# Allegro board LAY-95869_A.brd (continued)
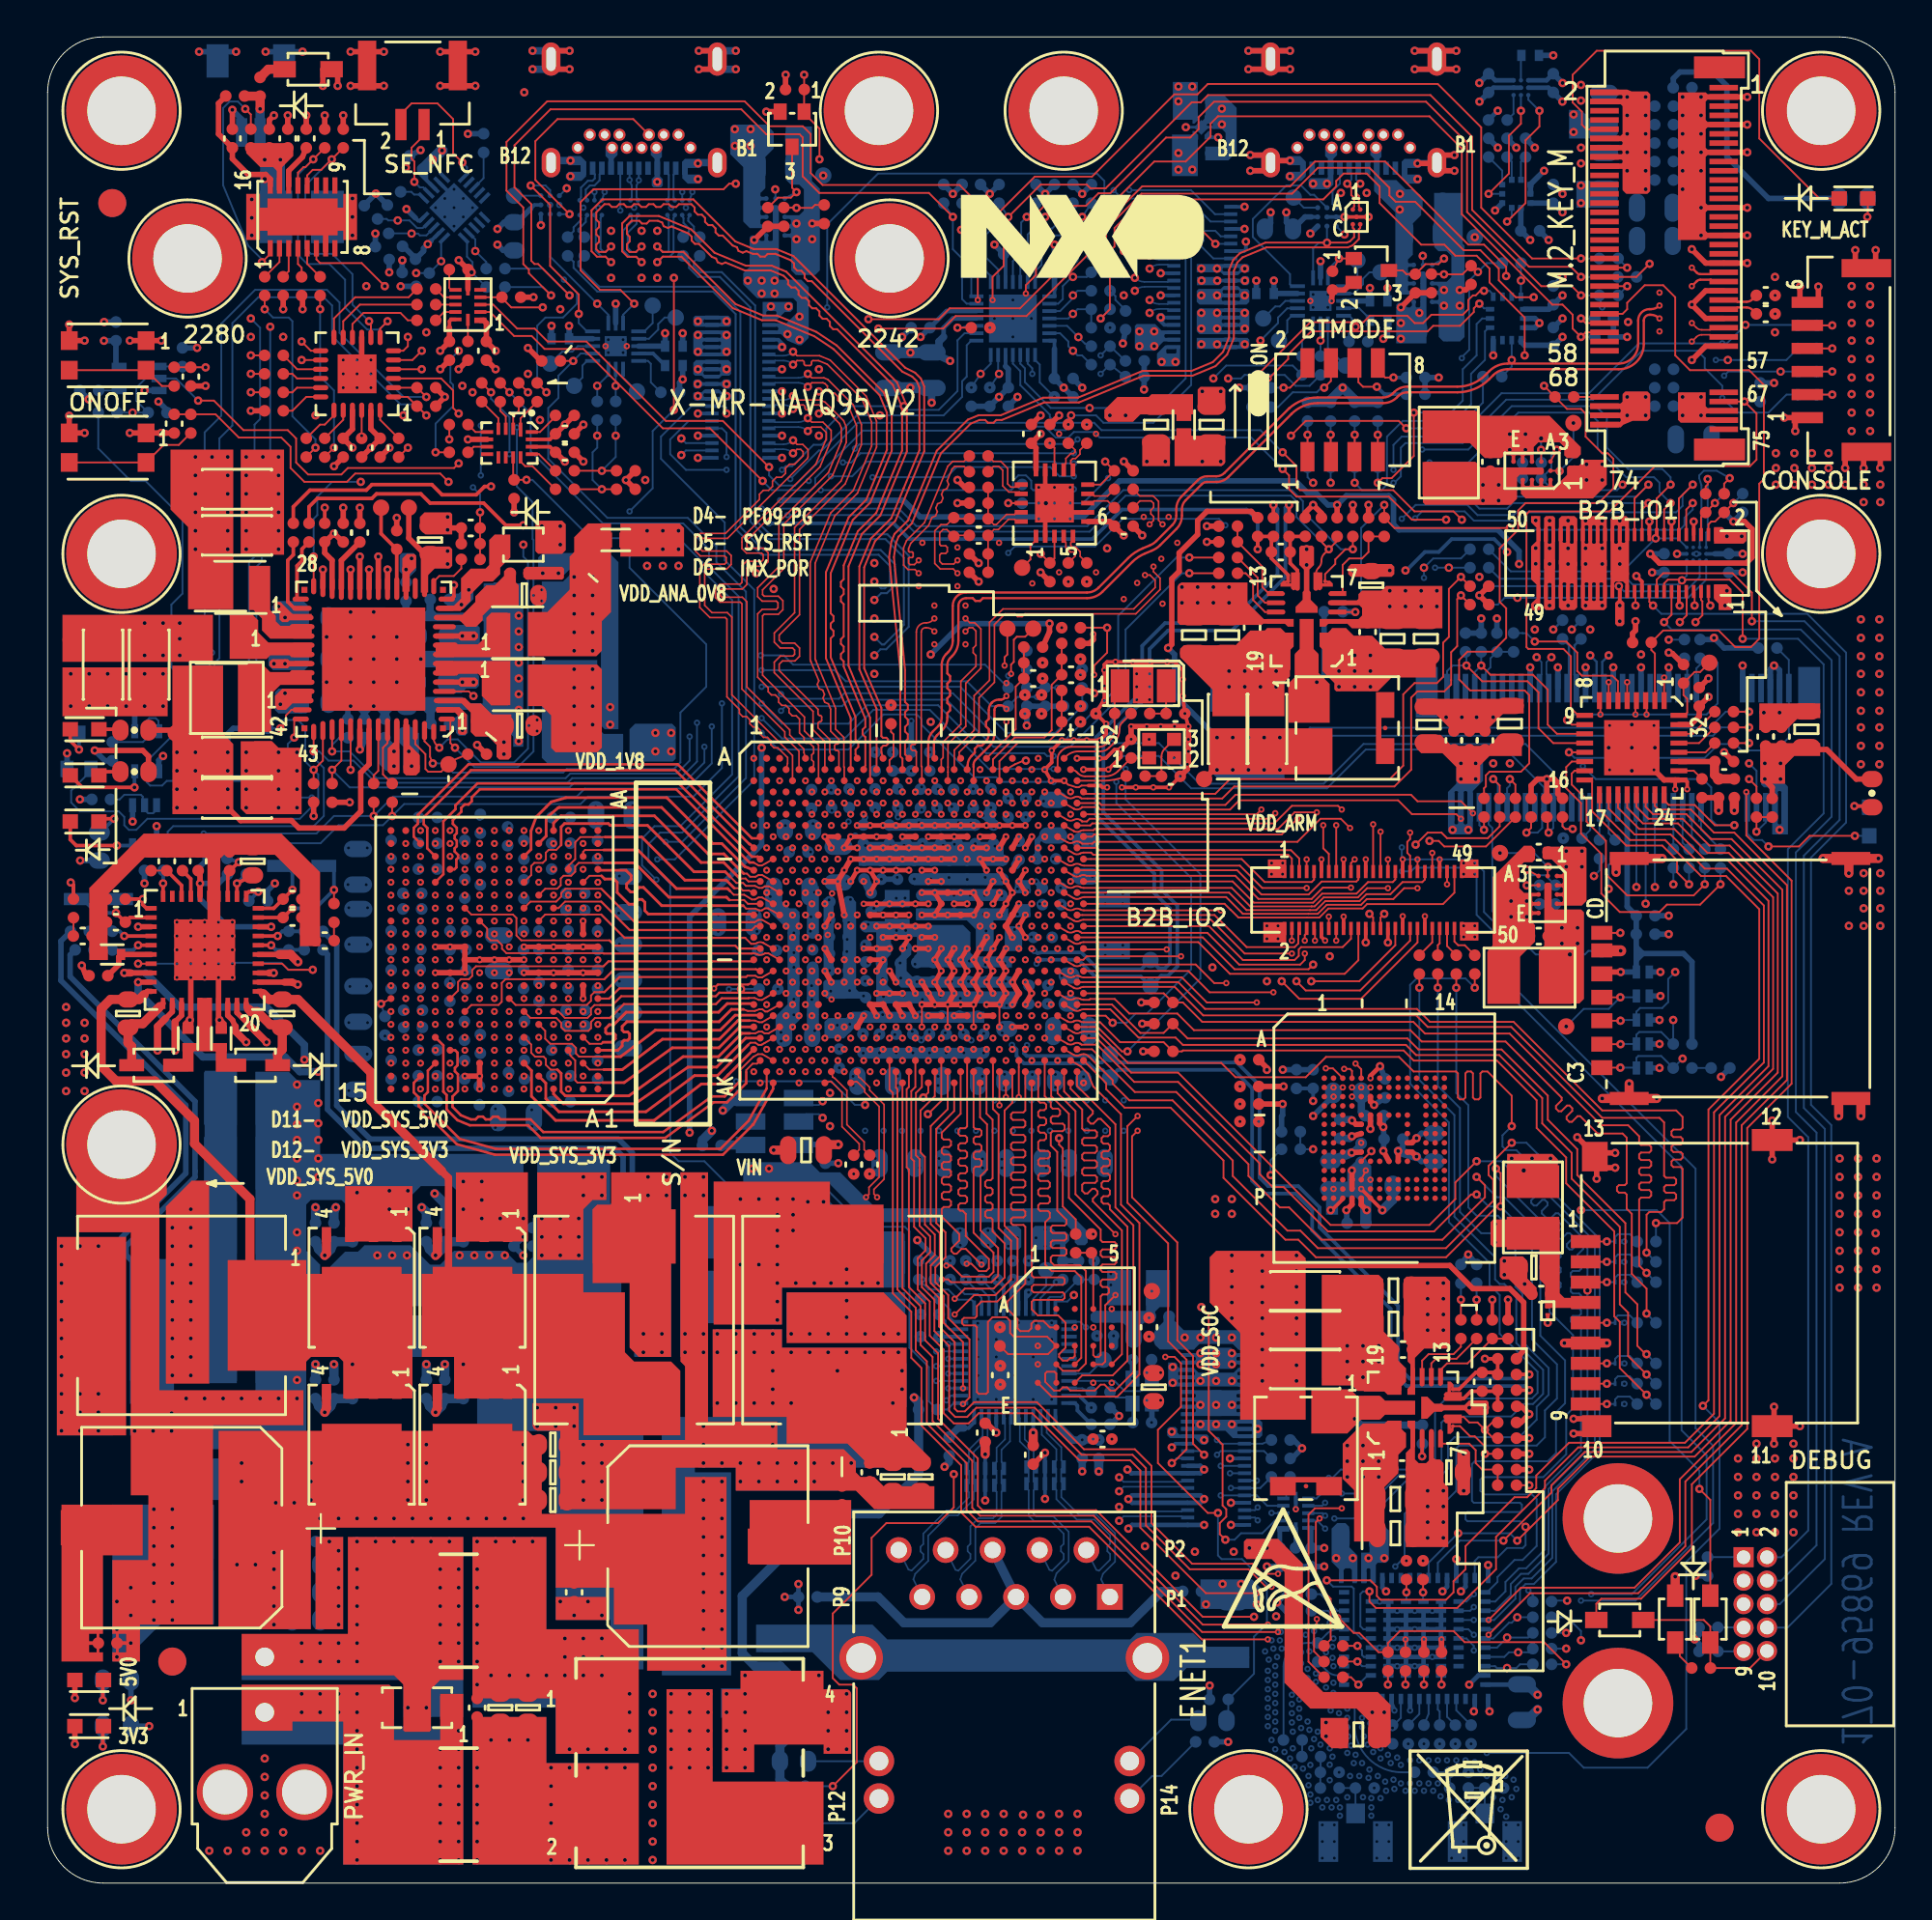
[diagram p0: board, top side]
## Routing (per net, layer and track width the routed paths; a pad name or vN(x,y) marks a point on that pad's centre or on a via; arc(x,y) is an arc through that point) (continued)
  L7_GND3 w0.3: v6(51.72,57.19) v9(51.99,57.74)
  BOTTOM w0.3: R250.1 R249.1 R251.1 v1(53,62.7)
  vias: v1(21.65,72.15) v1(21.65,71.45)
VDD_SD2_3V3:
  vias: v1(19.55,61.3) v1(19.7,60.5) v1(63.2,36.25) v1(64.1,36.25) v1(78.35,35.7) v1(78.35,34.7)
VDD_SDIO2: length 4.6
  TOP w0.3: R288.1 v1(59.2,47.7) ; R293.1 v1(59.3,45.05) ; U12.AD38 v8(50.47,46.98) ; R290.1 v1(59.25,46.55) ; R108.1 v1(16.35,58.54)
  L4_GND2 w0.3: v8(50.47,46.98) v6(50.65,46.5)
  L7_GND3 w0.3: v9(50.67,46.02) v6(50.65,46.5)
  vias: v1(24.7,61.8) v1(24.7,61.15)
VDD_SOC: length 101.2
  TOP w0.254: v4(46.62,48.8) v8(46.97,48.19) ; v4(44.52,56.07) U12.J21 v4(45.92,56.07) U12.J25 v4(47.32,56.07) U12.J29 v4(48.72,56.07) ; v4(51.52,54.86) v8(51.87,54.26) v4(52.22,53.65) v8(51.87,53.04) v4(51.52,52.44) ; v8(45.22,51.23) U12.U23 v4(46.62,51.23) v8(46.27,50.62) ; v4(44.52,54.86) v8(43.82,54.86) v8(43.47,54.26) ; v4(44.52,54.86) v8(44.87,54.26) v8(44.52,53.65) ; v4(44.52,54.86) v8(45.22,54.86) v4(45.92,54.86) v8(46.62,54.86) ; U12.W19 v8(45.22,50.01) v4(44.87,49.41) ; v4(51.52,51.23) v8(51.17,50.62) v4(50.82,50.01) v8(51.17,49.41) v8(50.82,48.8) v8(51.17,48.19) ; v8(49.77,50.62) v4(49.42,50.01) v8(49.77,49.41) v4(49.42,48.8) v8(49.77,48.19) ; v8(48.37,48.19) v4(48.02,48.8) v8(48.37,49.41) v4(48.02,50.01) v8(48.37,50.62)
  TOP w0.3: v1(67.6,33.15) 67.9,33.45 75.9,33.45 77.15,32.2 79.15,32.2 79.9,31.45 79.9,28.85 R147.2 ; v8(46.62,52.44) v4(45.92,52.44) v8(45.22,52.44) U12.R19
  L4_GND2 w0.3: v8(45.22,48.8) v6(45.48,48.46) ; v8(46.27,50.62) v6(46.35,51.15) v8(45.92,51.22) ; v8(43.47,54.26) v6(43.35,53.85) ; v8(45.22,54.86) v6(44.85,54.67) v8(44.87,54.26) ; v8(45.22,50.01) v6(44.82,49.91) ; v8(48.37,50.62) v6(48.12,50.29) ; v8(49.77,48.19) v6(49.33,48.3) ; v6(46.54,48.63) v8(46.97,48.19) v6(47.38,48.26) v6(47.96,48.2) v8(48.37,48.19) ; v8(51.17,49.41) v6(51.58,49.48) ; v8(51.17,48.19) v6(51.48,47.88) ; v8(48.02,56.08) v6(48.18,56.62) ; v8(49.77,49.41) v6(50.37,49.57) ; v8(49.42,56.07) v6(49.58,56.72) ; v8(46.62,56.08) v6(46.82,56.68) ; v8(46.62,52.44) v6(46.1,52.45) ; v8(44.52,53.65) v6(44.75,53.31) ; v8(48.37,49.41) v6(48.56,49.77) ; v8(45.22,56.08) v6(45.38,56.67) ; v8(49.77,50.62) v6(49.6,50.24) ; v8(50.82,48.8) v6(50.51,48.45) ; v8(45.22,51.23) v6(44.97,50.81) ; v8(45.22,52.44) v6(44.78,52.28) ; v8(46.62,54.86) v6(46.21,54.83) ; v8(43.82,54.86) v6(44.23,54.79)
  L7_GND3 w0.3: v9(57.25,42.4) v6(57.25,42) ; v9(45.24,48.02) v6(45.48,48.46) v9(45.2,48.98) ; v9(46,43.2) v6(45.7,42.9) ; v6(46.82,56.68) v9(46.56,57.2) 46.83,57.3 ; v6(46.82,56.68) v9(47.16,57.44) 46.83,57.3 ; v6(46.82,56.68) 46.83,57.3 ; v9(56.25,40.75) v6(56.25,41.15) ; v9(45.13,54.38) v6(44.85,54.67) ; v6(52.81,54.15) v9(52.5,53.85) v6(52.28,53.49) ; v6(52.81,54.15) v9(53.5,54.25) ; v6(52.81,54.15) v9(53.06,53.76) ; v9(47.97,49.89) v6(48.12,50.29) ; v9(48.34,48.04) v6(47.96,48.2) ; v9(46.34,48.07) v6(46.54,48.63) 46.66,49.29 v9(46.95,49.77) ; v9(49.9,49.94) v6(49.6,50.24) ; v9(55.25,42.4) v6(55.25,42) ; v9(48.2,43.7) v6(48.42,43.92) ; v6(49.58,56.72) 49.31,56.99 v9(49.31,57.44) 49.58,57.43 ; v6(49.58,56.72) 49.81,56.95 49.81,57.25 v9(49.98,57.41) 49.58,57.43 ; v6(49.58,56.72) 49.58,57.43 ; v9(44.41,49.84) v6(44.82,49.91) v9(45.22,49.91) ; v9(45.25,40.75) v6(45.25,41.15) ; v9(57.25,40.75) v6(57.25,41.15) ; v9(52.25,42.4) v6(52.25,42) ; v9(43.29,54.26) v6(43.35,53.85) v9(42.93,53.93) ; v9(50.25,40.75) v6(50.25,41.15) ; v9(58.25,42.4) v6(58.25,42) ; v9(44.25,40.75) v6(44.25,41.15) ; v9(54.25,40.75) v6(54.25,41.15) ; v9(55.05,38.75) v6(55.4,38.55) ; v9(53.25,40.75) v6(53.25,41.15) ; v9(51.81,49.81) v6(51.58,49.48) ; v6(46.21,54.83) v9(45.99,54.48) v6(46.2,54.02) ; v9(44.24,54.38) v6(44.23,54.79) ; v9(46.25,40.75) v6(46.25,41.15) ; v9(51.65,39.21) v6(52,39.5) ; v9(48.25,38.75) v6(48.55,38.45) ; v9(50.76,49.74) v6(50.37,49.57) ; v9(56.25,42.4) v6(56.25,42) ; v9(51.25,42.4) v6(51.25,42) ; v9(52.4,55.15) v6(51.9,54.86) ; v9(52.25,40.75) v6(52.25,41.15) ; v9(47.35,47.86) v6(47.38,48.26) ; v9(44.41,51.93) v6(44.78,52.28) ; v9(48.25,39.25) v6(48.55,39.55) ; v9(47.25,40.75) v6(47.25,41.15) ; v9(49.25,40.75) v6(49.25,41.15) ; v9(48.33,57.31) v6(48.18,56.62) ; v9(51.65,38.74) v6(52,38.5) ; v9(48.95,49.91) v6(48.56,49.77) ; v9(53.25,42.4) v6(53.25,42) ; v9(50.36,47.87) v6(50.51,48.45) ; v9(46,43.7) v6(45.7,44) ; v9(58.25,40.75) v6(58.25,41.15) ; v9(55.05,39.25) v6(55.4,39.45) ; v9(49.41,47.92) v6(49.33,48.3) ; v9(51.25,40.75) v6(51.25,41.15) ; v9(44.8,39.25) v6(45.15,39.49) ; v9(55.25,40.75) v6(55.25,41.15) ; v6(45.38,56.67) v9(45.55,57.31) ; v9(45.45,50.66) v6(44.97,50.81) ; v9(54.25,42.4) v6(54.25,42) ; v9(48.25,40.75) v6(48.25,41.15) ; v9(44.8,38.75) v6(45.15,38.5) ; v9(48.2,43.2) v6(48.5,42.9) ; v6(46.35,51.15) v9(45.95,51.6) v9(46.45,51.6) v6(46.35,51.15) ; v6(51.48,47.88) 51.88,47.65 v9(51.91,47.54) v9(51.93,48.06) 51.9,48.01 v6(51.48,47.88)
  BOTTOM w0.3: v9(53.5,54.25) C240.1 ; C260.1 v9(45.95,51.6) ; C248.1 C236.1 44.2,54.38 v9(44.24,54.38) ; v9(45.13,54.38) C237.1 ; C212.1 46.36,57.2 45.67,57.2 v9(45.55,57.31) ; C268.1 v9(44.41,51.93)
  BOTTOM w0.5: C208.1 v9(49.98,57.41) ; C211.1 v9(47.16,57.44) ; v9(44.24,54.38) C248.1 ; C222.1 v9(52.4,55.15)
  vias: v1(26.8,70.95) v1(27.65,70.95) v1(30.45,63.7) v1(30.45,62.75) v1(64.1,34) v1(64.1,33.15) v1(64.1,32.3) v1(64.1,31.45) v1(64.1,30.6) v1(65.75,34) v1(65.75,33.15) v1(65.75,32.3) v1(65.75,31.45) v1(65.75,30.6) v1(65.75,29.75) v1(65.75,28.9) v1(65.75,28.05) v1(65.75,27.2) v1(67.6,34) v1(67.6,32.3) v1(67.6,31.45) v1(67.6,30.6) v1(67.6,29.75) v1(67.6,28.9) v1(67.6,28.05) v1(67.6,27.2) v4(44.52,51.23) v4(49.77,55.47) v6(46.34,37.72) v6(48.15,37.73) v6(49.77,37.7) v6(50.25,42) v6(51.41,37.7) v6(52.15,49.3) v6(53.01,37.73) v6(55.16,37.73) v6(56.71,37.76)
VDD_SOC_SENSE: length 43.5
  TOP w0.2: R148.2 v1(80.2,27.55)
  L4_GND2 w0.3: v8(52.57,46.98) v6(53.02,46.21)
  L7_GND3 w0.3: v9(53.01,45.39) v6(53.02,46.21)
  BOTTOM w0.2: v1(80.2,27.55) 79.97,27.32 73.73,27.32 73.1,27.95 73.1,31.27 68.85,35.52 68.85,36.6 67.7,37.75 66.07,37.75 65.6,38.22 65.6,43.22 64.37,44.45 57.97,44.45 TP41.1 57.07,44.45 56.85,44.45 56.5,44.8 53,44.8 52.85,44.95 52.85,45.22 v9(53.01,45.39)
VDD_SYS_3V3: length 54.4
  TOP w0.3: R91.1 56.29,64.6 v1(56.65,64.45) ; R260.1 5.46,61.04 5.15,61.35 v1(2.55,61.35)
  L8_IN2 w0.3: v1(56.65,64.45) 56.65,71.6 v1(57.35,72.3)
  BOTTOM w0.3: R283.1 15.15,50.31 15.15,41.91 17.26,39.8 30.7,39.8 31.15,39.35 31.15,37 30.82,36.67 30.22,36.67 R308.1 ; R259.1 3.11,60.79 v1(2.55,61.35) ; v1(81.96,51.74) 81.61,52.09 R277.1 R278.1 ; R350.1 v1(5.5,8.5) ; R265.1 v1(1.76,55.39) ; R264.1 v1(1.75,58.7) ; R236.1 R237.1 78.89,76.09 v1(78.54,75.74) ; v1(93.45,81.26) R215.1
  vias: v1(17.85,34) v1(18.65,34) v1(19.45,34) v1(22.3,34) v1(23.1,34) v1(23.9,34) v1(24.75,34) v1(26.75,36) v1(26.75,35) v1(26.75,34) v1(27.75,36) v1(27.75,35) v1(27.75,34) v1(28.75,36) v1(28.75,35) v1(28.75,34) v1(29,38.25) v1(29,37.25) v1(30,38.25) v1(30,37.25) v1(35.2,83.85) v1(35.2,82.95) v1(36.75,83.85) v1(36.75,82.95) v1(48.75,3.75) v1(48.75,1.75) v1(49.75,3.75) v1(49.75,1.75) v1(50.75,3.75) v1(50.75,1.75) v1(51.75,3.75) v1(51.75,1.75) v1(52.8,3.7) v1(52.75,1.75) v1(53.75,3.7) v1(53.75,1.75) v1(54.75,3.75) v1(54.75,1.75) v1(55.75,3.75) v1(55.75,1.75) v1(62.4,25.9) v1(62.45,85.05) v1(62.45,84.2) v1(63.25,25.9) v1(63.3,85.05) v1(63.3,84.2) v1(64.1,25.9) v1(64.8,85.05) v1(64.8,84.2) v1(77.69,75.74) v1(77.69,74.89) v1(78.54,74.89) v1(81.96,50.89) v1(82.81,51.74) v1(82.81,50.89) v1(83.25,73.8) v1(83.25,72.3) v1(83.25,71.45) v1(83.25,69.2) v1(84.15,73.8) v1(84.15,72.3) v1(84.15,71.45) v1(84.15,69.2) v1(93.55,76.65) v1(93.55,75.75) v1(94.55,76.65) v1(94.55,75.75) v1(95.5,76.65) v1(95.5,75.75) v1(96.4,76.65) v1(96.4,75.75) v1(97,39.25) v1(97,38.25) v1(97,37.25) v1(97,36.25) v1(97,35.25) v1(97,34.25) v1(97,33.25) v1(97,32.25) v1(97.3,75.75) v1(98.3,75.75) v1(98.3,74.8) v1(98.3,54.7) v1(98.3,53.75) v1(98.3,52.8) v1(98.3,51.85) v1(99,39.25) v1(99,38.25) v1(99,37.25) v1(99,36.25) v1(98.95,35.2) v1(98.95,34.25) v1(99,33.25) v1(99,32.25) v1(99.2,75.75) v1(99.2,74.8) v1(99.2,54.7) v1(99.2,53.75) v1(99.2,52.8) v1(99.2,51.85)
VDD_SYS_5V0: length 57.5
  TOP w0.3: v1(73.25,85.35) 74.03,86.13 R15.1 74.04,86.14 R14.1 ; v1(23.25,61.65) 23.75,61.15 R100.1 ; v1(1.85,49.7) 2.04,49.23 R134.2 ; R9.1 38.99,89.74 R10.1 38.98,89.73 v1(38.25,89) ; 94.6,79.38 v1(94,79.38) ; 94.6,79.38 v1(94.6,78.65) ; 94.6,79.38 J2.1 ; v4(56.6,67.65) 56.6,67.35 56.4,67.15 R85.1 ; U9.18 v1(19.4,71.15)
  L3_IN1 w0.3: v4(56.6,67.65) 54.33,69.92 54.33,71.28 54.55,71.5 57.1,71.5 58.75,69.85 61.05,69.85 v1(61.4,70.2)
  BOTTOM w0.2: U21.B1 26.35,90.9 26.15,90.7 ; U26.B1 68.4,90.25
  BOTTOM w0.3: R347.1 v1(4.51,9.9) ; U32.12 C158.1 v1(28.23,84.35) ; U29.12 C150.1 v1(66.38,86.8) ; v1(67.05,90.5) 67.05,90.5 67.05,89.96 C137.1 68.06,90.25 68.4,90.25 ; R320.2 4.6,31.18 4.6,33.67 4.25,34.02 4.25,34.51 7.98,38.24 7.98,38.55 7.98,42.34 1.22,49.1 1.22,50.28 R284.1 ; v1(24.35,89.6) 24.71,89.96 C140.1 25.41,89.96 26.15,90.7
  vias: v1(1,44.9) v1(1,43.9) v1(1,42.9) v1(2,44.9) v1(2,43.9) v1(2,42.9) v1(6.75,35.5) v1(6.75,34.5) v1(6.75,33.5) v1(6.75,32.5) v1(6.75,31.5) v1(6.75,30.5) v1(6.75,29.5) v1(6.75,28.5) v1(6.75,27.5) v1(7.75,36.5) v1(7.75,35.5) v1(7.75,34.5) v1(7.75,33.5) v1(7.75,32.5) v1(7.75,31.5) v1(7.75,30.5) v1(7.75,29.5) v1(7.75,28.5) v1(7.75,27.5) v1(12.25,66.05) v1(12.5,69.15) v1(12.6,63.85) v1(12.85,68.55) v1(12.85,66.05) v1(12.85,64.45) v1(19.7,71.75) v1(22.45,67.55) v1(22.45,65.05) v1(23.05,67.55) v1(23.05,65.05) v1(37.9,86.8) v1(38.65,86.8) v1(38.65,86.1) v1(39.35,86.8) v1(39.35,86.1) v1(40.05,83.9) v1(40.7,84.85) v1(40.7,83.6) v1(59.1,84.05) v1(59.1,83.25) v1(59.9,84.05) v1(59.9,83.25) v1(61.4,69.35) v1(62.25,70.2) v1(62.25,69.35) v1(62.4,28.7) v1(62.4,28.1) v1(63.1,70.2) v1(63.1,69.35) v1(63.25,28.7) v1(63.25,28.1) v1(63.95,70.2) v1(63.95,69.35) v1(64.1,28.7) v1(64.1,28.1) v1(72.65,70) v1(72.65,69.15) v1(73.25,84.5) v1(73.25,83.65) v1(73.5,70) v1(73.5,69.15) v1(74.25,85.05) v1(74.35,70) v1(74.35,69.15) v1(74.7,32.5) v1(74.7,31.65) v1(74.7,30.8) v1(74.7,29.95) v1(74.7,21.25) v1(74.7,20.4) v1(74.7,19.55) v1(74.7,18.7) v1(75.2,70) v1(75.2,69.15) v1(75.55,32.5) v1(75.55,31.65) v1(75.55,30.8) v1(75.55,29.95) v1(75.55,21.25) v1(75.55,20.4) v1(75.55,19.55) v1(75.55,18.7) v1(81.3,73.8) v1(81.3,72.3) v1(81.3,71.45) v1(81.3,69.2) v1(91.5,23) v1(91.5,22) v1(91.5,21) v1(91.5,20) v1(92.5,23) v1(92.5,22) v1(92.5,21) v1(92.5,20) v1(93.5,23) v1(93.5,22) v1(93.5,21) v1(93.5,20) v1(94.5,23) v1(94.5,22) v1(94.5,21) v1(94.5,20) v1(97.65,86.5) v1(97.65,85.5) v1(97.65,83.55) v1(97.65,82.55) v1(97.65,80.65) v1(97.65,79.65) v1(98.15,68.45) v1(98.15,67.45) v1(98.15,65.5) v1(98.15,64.5) v1(98.15,62.6) v1(98.15,61.6) v1(98.65,86.5) v1(98.65,85.5) v1(98.65,83.55) v1(98.65,82.55) v1(98.65,80.65) v1(98.65,79.65) v1(99.15,68.45) v1(99.15,67.45) v1(99.15,65.5) v1(99.15,64.5) v1(99.15,62.6) v1(99.15,61.6)
VDDA_LM5143: length 10.7
  TOP w0.3: U13.36 v1(8.25,54.15) 8.25,54.74 C64.1 ; U13.28 v1(12.1,51.8)
  BOTTOM w0.3: v1(12.1,51.8) 9.75,51.8 8.25,53.3 v1(8.25,54.15) ; R279.1 8.25,55.06 v1(8.25,54.15) ; v1(8.25,54.15) 9.25,54.15 9.74,54.64 R269.1
VDDQ_CPU_DDR: length 52.3
  TOP w0.254: v8(42.07,51.83) v8(42.42,52.44)
  TOP w0.3: v8(42.07,49.41) v8(42.42,48.8) ; U9.23 v1(16.9,71.85)
  L4_GND2 w0.3: v8(28.18,44.41) v6(28.58,44.06) v8(28.98,43.71) ; v8(29.78,53.51) v6(29.38,53.16) ; v6(29.38,53.16) v8(28.98,52.81) ; v6(29.38,53.16) v8(29.78,52.81) ; v6(41.83,48.61) v6(41.65,49.25) v8(42.07,49.41) ; v6(41.83,48.61) v8(42.42,48.8) ; v6(41.83,48.61) v8(42.07,48.19) ; v8(28.18,46.51) v6(27.78,46.16) v8(27.38,46.51) ; v8(20.98,45.11) v6(21.38,45.46) v8(21.78,45.81) ; v8(28.18,57.01) v6(28.58,57.36) ; v8(42.46,53.61) 42.15,53.49 ; 42.15,53.49 v8(42.07,53.04) v6(41.78,53.36) 42.15,53.49 ; v8(42.07,48.19) v6(41.8,47.85) v8(42.43,47.87) v8(42.07,48.19) ; v8(20.18,55.61) v6(19.78,55.96) v8(19.38,56.31) ; v8(42.42,46.38) v6(41.96,46.26) ; v8(20.18,57.01) v6(19.78,57.36) ; v8(28.98,47.21) v6(29.38,46.86) ; v6(29.38,46.86) v8(29.78,47.21) ; v6(29.38,46.86) v8(29.78,46.51) ; v8(42.42,52.44) v6(41.75,52.38) ; v8(20.18,43.01) v6(19.78,42.66) ; v8(19.38,43.71) v6(19.78,44.06) v8(20.18,44.41) ; v8(28.18,43.01) v6(28.58,42.66) ; v8(18.58,46.51) v6(18.2,46.3) ; v8(26.58,45.81) v6(26.98,45.46) v8(27.38,45.11) ; v8(28.18,53.51) v6(27.78,53.86) v8(27.38,53.51) ; v8(27.38,54.91) v6(26.98,54.56) v8(26.58,54.21) ; v8(42.23,51.36) v6(41.69,51.66) v8(42.07,51.83) ; v8(18.58,52.81) v6(18.98,53.16) ; v6(18.98,53.16) v8(19.38,52.81) ; v6(18.98,53.16) v8(18.58,53.51) ; v8(20.18,46.51) v6(20.58,46.16) v8(20.98,46.51) ; v8(28.18,55.61) v6(28.58,55.96) v8(28.98,56.31) ; v8(21.78,54.21) v6(21.38,54.56) v8(20.98,54.91) ; v8(20.18,53.51) v6(20.58,53.86) v8(20.98,53.51) ; v8(19.38,47.21) v6(18.98,46.86) v8(18.58,47.21) ; v8(42.07,46.98) v6(41.68,47.08)
  L7_GND3 w0.3: v6(20.58,46.16) 20.35,46.4 v9(20.24,46.4) ; v9(28.21,57.73) v6(28.58,57.36) ; v9(28.21,56.34) v6(28.58,55.96) ; v9(28.23,43.71) v6(28.58,44.06) ; v9(30.95,54.55) v6(31.4,54.55) v9(31.85,54.55) ; v9(28.22,42.3) v6(28.58,42.66) ; v9(41.52,53.67) v6(41.78,53.36) v9(41.4,53.18) ; v9(20.11,56.29) v6(19.78,55.96) ; v9(31.85,45.25) v6(31.4,45.25) v9(30.95,45.25) ; v9(19.34,47.22) v6(18.98,46.86) ; v6(41.8,47.85) 41.69,47.86 v9(41.37,47.86) ; v9(20.15,42.31) v6(19.78,42.66) ; v9(21.04,45.13) v6(21.38,45.46) ; v9(41.31,49.49) v6(41.65,49.25) ; v9(16.32,50.85) v6(16.82,50.83) v9(17.31,50.84) ; v9(41.35,48.61) v6(41.83,48.61) ; v6(27.78,46.16) v9(28.13,46.51) ; v9(21.03,54.92) v6(21.38,54.56) ; v9(20.14,43.7) v6(19.78,44.06) ; v9(20.12,57.7) v6(19.78,57.36) ; v9(16.31,44.91) v6(16.8,44.89) v9(17.3,44.9) ; v9(29.15,52.8) v6(29.38,53.16) ; v9(19.36,52.78) v6(18.98,53.16) ; v9(41.52,46.17) v6(41.96,46.26) ; v9(28.05,53.55) v6(27.78,53.86) ; v9(41.32,52.34) v6(41.75,52.38) ; v9(20.24,53.59) v6(20.58,53.86) ; v9(27.33,45.11) v6(26.98,45.46) ; v9(27.35,54.93) v6(26.98,54.56) ; v9(41.28,47) v6(41.68,47.08) ; v9(28.99,47.25) v6(29.38,46.86) ; v9(18.26,45.88) v6(18.2,46.3) ; v9(41.29,51.56) v6(41.69,51.66)
  BOTTOM w0.3: C228.1 v9(27.35,54.93) ; v9(29.15,52.8) 29.15,52.77 C257.1 ; C245.1 v9(28.05,53.55) ; v9(16.31,44.91) C346.1 v9(17.3,44.9) ; C217.1 v9(20.11,56.29) ; C319.1 v9(28.99,47.25) ; C320.1 v9(19.34,47.22) ; C358.1 v9(20.15,42.31) ; C244.1 v9(20.24,53.59) ; C202.1 v9(20.12,57.7) ; C340.1 v9(21.04,45.13) ; C323.1 v9(20.24,46.4) ; C324.1 v9(28.13,46.51) ; C348.1 v9(28.23,43.71) ; C339.1 v9(27.33,45.11) ; C229.1 v9(21.03,54.92) ; C347.1 v9(20.14,43.7) ; R287.2 v9(18.26,45.88)
  vias: v1(8,77.25) v1(8,76.25) v1(8,75.25) v1(8,74.25) v1(8,73.25) v1(8,72.25) v1(8.9,77.25) v1(9.75,77.25) v1(9.75,76.25) v1(9.75,75.25) v1(9.75,74.25) v1(9.75,73.25) v1(9.75,72.25)
VIN: length 49.1
  TOP w0.3: TP20.1 v1(38.5,37.05) ; 12.55,50.3 U13.25 ; v1(54.23,68.22) 54.23,67.78 R86.1
  TOP w0.5: 12.55,50.3 13.15,50.3 v1(13.55,49.9)
  L5_POWER1 w0.5: v1(38.65,61.5) 39.35,61.5 40.4,62.55 47.45,62.55 v1(47.8,62.9)
  L8_IN2 w0.5: v1(47.8,66.55) 48.05,66.3 48.05,63.15 v1(47.8,62.9)
  BOTTOM w0.3: R275.1 v1(5.24,54.15) ; v1(38.65,61.5) 38.65,56.25 34.75,52.35 v1(34.75,40.65) ; v1(54.23,68.22) 49.47,68.22 v1(47.8,66.55) ; R274.1 11.91,53.76 v1(12.3,54.15)
  vias: v1(10.25,17.25) v1(10.5,22.75) v1(10.5,21.75) v1(11.25,17.25) v1(12.25,17.9) v1(12.25,17) v1(12.25,16) v1(12.25,15) v1(12.25,14) v1(12.35,20.6) v1(13.35,20.6) v1(14.25,22.75) v1(14.25,21.75) v1(14.25,20.75) v1(14.75,19.75) v1(15.75,19.75) v1(16.75,19.75) v1(17.75,19.75) v1(18.75,19.75) v1(19.5,23.75) v1(19.5,22.75) v1(19.5,21.75) v1(19.5,20.75) v1(19.75,19.75) v1(20.5,23.75) v1(20.5,22.75) v1(20.5,21.75) v1(20.5,20.75) v1(20.75,19.75) v1(21.75,19.75) v1(22.75,19.75) v1(23.75,19.75) v1(24.75,19.75) v1(25.75,23.75) v1(25.75,22.75) v1(25.75,21.75) v1(25.75,20.75) v1(25.75,19.75) v1(35.5,21.75) v1(35.5,20.75) v1(35.5,19.75) v1(35.5,18.75) v1(35.5,17.75) v1(35.5,16.75) v1(35.5,15.75) v1(35.5,14.75) v1(35.5,13.75) v1(35.5,12.75) v1(35.5,11.75) v1(36.5,21.75) v1(36.5,20.75) v1(36.5,19.75) v1(36.5,18.75) v1(36.5,17.75) v1(36.5,16.75) v1(36.5,15.75) v1(36.5,14.75) v1(36.5,13.75) v1(36.5,12.75) v1(36.5,11.75) v1(37.5,37.05) v1(37.5,33.5) v1(38.5,33.5) v1(39.5,37.05) v1(39.5,36.2) v1(39.5,35.35) v1(39.5,34.5) v1(39.5,33.5) v1(39.5,32.5) v1(39.5,31.5) v1(39.5,30.5) v1(40.35,37.05) v1(40.35,36.2) v1(40.35,35.35) v1(40.5,32.5) v1(41.15,36.9) v1(41.5,32.5) v1(42,36.9) v1(42.4,32.5) v1(43.25,33.25) v1(43.25,32.5) v1(44.1,32.5) v1(44.95,32.5)
VSS_ARM_SENSE: length 43.9
  TOP w0.2: R63.2 v1(67.2,74.65)
  L4_GND2 w0.3: v8(52.22,50.01) 52.68,49.58 v6(53.19,49.58)
  L7_GND3 w0.3: v9(53.53,49.8) v6(53.19,49.58)
  BOTTOM w0.2: v9(53.53,49.8) 53.65,49.98 53.85,50.01 55.79,50.01 56.7,49.1 59.18,49.1 TP40.1 60.27,49.15 60.65,49.15 61.15,49.65 61.15,52.95 60.3,53.8 60.3,54.85 57.15,58 57.15,61.9 59.65,64.4 59.65,66.85 60.65,67.85 64.1,67.85 67,70.75 67,74.5 67.15,74.65 v1(67.2,74.65)
VSS_BAT:
  vias: v1(13.75,13) v1(13.75,12) v1(14.75,13) v1(14.75,12) v1(15.75,13) v1(15.75,12) v1(16.75,18.5) v1(16.75,17) v1(16.75,16) v1(16.75,15) v1(16.75,14) v1(16.75,13) v1(16.75,12) v1(17.75,18.5) v1(18.75,18.5) v1(19.5,9.5) v1(19.75,18.5) v1(20.5,9.5) v1(20.75,18.5) v1(21.25,17) v1(21.25,16) v1(21.25,15) v1(21.25,14) v1(21.25,13) v1(21.25,12) v1(21.75,18.5) v1(22.25,17) v1(22.25,16) v1(22.25,15) v1(22.25,14) v1(22.25,13) v1(22.25,12)
VSS_BATF:
  vias: v1(23.25,18.5) v1(23.25,17) v1(23.25,16) v1(23.25,15) v1(23.25,14) v1(23.25,13) v1(23.25,12) v1(23.25,10.75) v1(24,11.25) v1(24.25,18.5) v1(25,11.25) v1(25.25,18.5) v1(26,11.25) v1(26.25,18.5) v1(27,11.25) v1(28,13.25) v1(28,12.25) v1(28,11.25) v1(28.25,7.25) v1(29,13.25) v1(29,12.25) v1(29,11.25) v1(29.25,7.25) v1(30,13.25) v1(30,12.25) v1(30,11.25) v1(30.25,7.25) v1(31.25,7.25) v1(31.5,10.25) v1(31.5,9.25) v1(31.5,8.25)
VSS_SOC_SENSE: length 44.1
  TOP w0.2: R149.2 v1(80.2,26.7)
  L4_GND2 w0.3: v8(51.87,46.98) v6(52.2,46.15)
  L7_GND3 w0.3: v9(52.2,45.4) v6(52.2,46.15)
  BOTTOM w0.2: v1(80.2,26.7) 79.97,26.93 73.56,26.93 72.7,27.78 72.7,31.1 68.45,35.35 68.45,36.43 67.53,37.35 65.9,37.35 65.2,38.05 65.2,43.05 64.2,44.05 57.93,44.05 TP42.1 57.11,44.05 56.7,44.05 56.35,44.4 52.85,44.4 52.45,44.8 52.45,45.15 v9(52.2,45.4)
ADC_IN0: length 6.9
  TOP w0.102: R86.2 R89.1 C41.1 52.4,64.81 52.4,62.5 50.82,60.92 U12.A37
ADC_IN1: length 9.3
  TOP w0.102: R85.2 R88.1 C40.1 54.35,64.91 54.35,62.45 53.95,62.05 52.35,62.05 51.17,60.87 U12.B38
ADC_IN2: length 7.2
  TOP w0.102: R91.2 R94.1 C45.1 54.89,62.54 54.15,61.8 52.55,61.8 51.52,60.77 U12.C39
ADC_IN3: length 53.8
  TOP w0.102: v1(52.95,60.8) 52.84,60.8 52.37,60.61 U12.B40 ; R77.1 R74.1 C23.1 v1(23.41,74.25)
  L8_IN2 w0.102: v3(23.02,75.6) 23.35,75.6 24.45,76.7 24.45,77.45 24.9,77.9 32.4,77.9 33.7,79.2 40.4,79.2 41.2,80 46,80 47.15,78.85 48.15,78.85 51,76 51,72.3 51.6,71.7 51.6,65.3 53.7,63.2 53.7,61.55 v1(52.95,60.8)
  BOTTOM w0.102: v1(23.41,74.25) 23.41,75.22 v3(23.02,75.6)
ADC_IN6: length 32.4
  TOP w0.102: v1(71.55,52.5) 71.75,52.3 J4.26
  L3_IN1 w0.102: v7(72.25,60.2) 71.6,60.2 70.7,61.1 58.73,61.1 56.13,63.7 55.45,63.7 55.35,63.6 55.35,62.55 54,61.2 54,60.83 53.8,60.62 v4(53.27,60.32)
  L4_GND2 w0.3: v7(72.25,60.2) v6(72.25,59.8)
  L7_GND3 w0.3: v7(72.25,60.2) v6(72.25,59.8)
  L8_IN2 w0.102: v7(72.25,60.2) 72.25,59.55 72.35,59.45 72.35,53.3 v1(71.55,52.5)
ADC_IN7: length 33.3
  TOP w0.102: J4.28 72.15,52.3 v1(72.35,52.5)
  L3_IN1 w0.102: v4(53.62,60.92) 53.62,61.27 55.1,62.75 55.1,63.7 55.4,64 56.25,64 58.7,61.55 71.02,61.55 71.22,61.35 v7(72.97,61.35)
  L4_GND2 w0.3: v7(72.97,61.35) v6(72.97,61.75)
  L7_GND3 w0.3: v6(72.97,61.75) v7(72.97,61.35)
  L8_IN2 w0.102: v7(72.97,61.35) 72.65,61.03 72.65,52.8 v1(72.35,52.5)
AON_IO_EXP_INT_B: length 69.8
  TOP w0.102: U4.22 v7(17,78.4) R45.2
  L3_IN1 w0.102: v4(53.97,56.68) 54.77,56.68 55.12,57.03 56.88,57.03 v7(57.4,57.55)
  L4_GND2 w0.3: v7(57.4,57.55) v6(57.4,57.95) ; v7(17,78.4) v6(17,78.85)
  L7_GND3 w0.3: v7(57.4,57.55) v6(57.4,57.95) ; v6(17,78.85) v7(17,78.4)
  L8_IN2 w0.102: v7(17,78.4) 17,77.55 18.15,76.4 22.6,76.4 24.5,78.3 28.05,78.3 28.5,78.75 28.5,79.2 28.8,79.5 32.6,79.5 33.35,80.25 34.1,80.25 34.3,80.05 37.3,80.05 38.45,81.2 40.4,81.2 41.25,80.35 46.25,80.35 47.35,79.25 48.4,79.25 51.38,76.28 51.38,74.62 53.2,72.8 53.75,72.8 54.95,71.6 54.95,65.4 58.7,61.65 58.7,58.85 v7(57.4,57.55)
BPS_USB1: length 1.7
  BOTTOM w0.2: U32.4 32.77,82.85 C160.1
BPS_USB2: length 2.9
  BOTTOM w0.102: R206.1 71.46,84.53 C153.1 71.58,84.72 71,85.3 U29.4
CAM1_IO1: length 23.4
  BOTTOM w0.102: U31.11 52.25,82.3 52.65,81.9 52.65,81.14 54.25,79.54 54.25,79.41 54.56,79.1 55,79.1 v2(55.4,79.5) 56.75,79.5 57.15,79.1 59.85,79.1 61.9,81.15 61.9,88.95 62.45,89.5 63.2,89.5 63.5,89.2 J14.10
CAM1_IO2: length 22.6
  TOP w0.102: v1(61.85,89.85) 62.15,89.85 v1(63.21,88.79)
  BOTTOM w0.102: v1(63.21,88.79) 64.03,88.79 J14.12 ; v1(61.85,89.85) 61.6,89.6 61.6,81.5 60,79.9 v2(56.4,79.9) 54.3,79.9 52.9,81.3 52.9,82.05 52.65,82.3 U31.10
CAM2_IO1: length 21.2
  L8_IN2 w0.102: v3(39.75,76.55) 39.2,77.1 38.2,77.1 38.05,77.25 v3(36.75,77.25)
  BOTTOM w0.102: J15.10 36.5,78.8 36.75,78.55 v3(36.75,77.25) ; U31.16 49.63,83.95 49.25,83.57 49.25,80.82 48.23,79.8 46.55,79.8 v2(46.35,80) 43.35,80 42.15,78.8 42.15,78.17 41.89,77.91 41.46,77.91 40.3,76.75 39.95,76.75 v3(39.75,76.55)
CAM2_IO2: length 25.2
  L8_IN2 w0.102: v3(36.75,76.55) 37.7,76.55 37.9,76.35 38.9,76.35 39.2,76.05 v3(40.2,76.05)
  BOTTOM w0.102: v3(40.2,76.05) 41.75,77.6 41.9,77.6 43.8,79.5 v2(45.05,79.5) 48.5,79.5 49.5,80.5 49.5,81.35 49.75,81.6 49.75,83.3 50,83.55 U31.15 ; v3(36.75,76.55) 34.55,76.55 33.7,77.4 33.7,78.2 34.7,79.2 J15.12
CAN1_RX: length 60.8
  TOP w0.102: v1(86.65,75.75) 85.9,75 J3.24
  L3_IN1 w0.102: v4(53.62,57.29) 54.24,56.93 54.61,56.93 54.97,57.29 55.84,57.29 56.45,57.9 61.2,57.9 61.8,58.5 72.4,58.5 73.55,57.35 v7(74.05,57.35)
  L4_GND2 w0.3: v7(74.05,57.35) v6(74.45,57.35)
  L7_GND3 w0.3: v7(74.05,57.35) v6(74.45,57.35)
  L8_IN2 w0.102: v7(74.05,57.35) 74.35,57.05 75.45,57.05 77.8,59.4 77.8,61 76.15,62.65 76.15,65.05 75.6,65.6 75.6,70.8 77.65,72.85 77.65,74.1 78.15,74.6 78.15,75.95 77.95,76.15 v3(76.9,76.15)
  BOTTOM w0.102: v3(76.9,76.15) 76.9,75.9 77.5,75.3 79,75.3 79.2,75.1 86,75.1 v1(86.65,75.75)
CAN1_TX: length 56.1
  TOP w0.102: v1(86.65,74.75) 86.3,74.4 J3.22
  L3_IN1 w0.102: v7(75.25,57.6) 75,57.85 73.96,57.85 72.86,58.96 61.49,58.96 60.94,58.4 56.35,58.4 55.5,57.55 54.69,57.55 54.35,57.89 v4(53.97,57.89)
  L4_GND2 w0.3: v7(75.25,57.6) v6(75.25,57.2)
  L7_GND3 w0.3: v7(75.25,57.6) v6(75.25,57.2)
  L8_IN2 w0.102: v3(76.9,75.3) 77.3,74.9 77.3,73.35 75.55,71.6 75.55,71.15 74.75,70.35 74.75,63.05 76.9,60.9 76.9,59.25 v7(75.25,57.6)
  BOTTOM w0.102: v3(76.9,75.3) 76.9,75.3 76.9,75.05 77.5,74.45 79,74.45 79.3,74.75 v1(86.65,74.75)
CCM_CLKO1_FLEXIO1_IO26: length 92.4
  L3_IN1 w0.102: v1(44.25,42.15) 44.5,42.4 44.5,43.45 44.87,43.82 v4(44.87,44.56) ; v1(49.45,89.55) 49.45,87.75 47.5,85.8 46.7,85.8 46.05,85.15 43.9,85.15 40.35,81.6 38.75,81.6 v1(36.75,79.6)
  L8_IN2 w0.102: v3(37.27,43.43) 32.6,48.1 32.6,55.05 v3(33,55.45) ; v3(62.45,89) 62.45,90.45 61.65,91.25 58.9,91.25 58.3,90.65 52.8,90.65 52.5,90.35 52.5,89.9 52.15,89.55 v1(49.45,89.55)
  BOTTOM w0.102: v1(44.25,42.15) 43.7,42.15 42.42,43.43 v3(37.27,43.43) ; J14.16 63.1,88 62.45,88.65 v3(62.45,89) ; v3(33,55.45) 33.95,55.45 38.25,59.75 38.25,70.05 36.65,71.65 36.65,73.7 33.2,77.15 33.2,78.35 34.85,80 J15.16 36.65,80 36.75,79.9 v1(36.75,79.6)
CCM_CLKO2_FLEXIO1_IO27: length 126.5
  TOP w0.102: v1(73.54,78.8) 73.14,79.2 68.1,79.2 v1(67.3,78.4) ; v1(68.4,48.85) 71,48.85 72.95,50.8 J4.32
  L3_IN1 w0.102: v5(67.05,21.85) 66.7,21.5 60.55,21.5 59.25,22.8 55.1,22.8 54.75,22.45 52.4,22.45 49.9,24.95 49.9,32.25 50.15,32.5 50.15,35.1 43.85,41.4 43.85,43.74 44.53,44.43 44.53,44.68 44.87,45.02 v4(44.87,45.77)
  L4_GND2 w0.3: v5(67.05,21.85) v6(67.45,21.85)
  L7_GND3 w0.3: v7(67.75,22.15) v6(67.45,21.85)
  L8_IN2 w0.102: v1(67.3,78.4) 66.7,78.4 65.95,77.65 65.95,74.15 66.8,73.3 66.8,66.6 66.1,65.9 66.1,63.9 68.1,61.9 68.1,59.75 67.4,59.05 65.8,59.05 65.35,58.6 65.35,53.9 68.9,50.35 68.9,49.35 v1(68.4,48.85) 68,48.45 68,36.65 69.05,35.6 69.05,23.8 67.75,22.5 v7(67.75,22.15)
  BOTTOM w0.102: v1(73.54,78.8) 76.3,78.8 77.69,80.19 R211.1
CCM_CLKO3_CAN3_TX: length 74.9
  TOP w0.102: v1(67.6,48.85) 68.1,48.35 71.05,48.35 73.75,51.05 J4.36
  L3_IN1 w0.102: v4(44.87,43.34) 44.87,40.93 50.9,34.9 50.9,31.5 50.3,30.9 50.3,26.3 51.95,24.65 51.95,24.15 53.25,22.85 54.35,22.85 54.7,23.2 59.42,23.2 60.72,21.9 66.15,21.9 v5(66.8,22.55)
  L4_GND2 w0.3: v5(66.8,22.55) v6(67.1,22.85)
  L7_GND3 w0.3: v7(67.5,22.85) v6(67.1,22.85)
  L8_IN2 w0.102: v7(67.5,22.85) 67.5,23.95 68.75,25.2 68.75,35.2 67.65,36.3 67.65,48.08 67.6,48.2 v1(67.6,48.85)
CCM_CLKO4_CAN3_RX: length 74.6
  TOP w0.102: J4.38 74.15,50.95 71.1,47.9 67.75,47.9 v1(66.8,48.85)
  L3_IN1 w0.102: v4(45.22,43.95) 45.22,41.13 51.3,35.05 51.3,31.1 50.7,30.5 50.7,26.55 52.75,24.5 52.75,24.2 53.25,23.7 59.65,23.7 60.15,23.2 61.8,23.2 62.2,22.8 63.45,22.8 63.7,22.55 65.45,22.55 v5(66.15,23.25)
  L4_GND2 w0.3: v5(66.15,23.25) v6(66.45,23.55)
  L7_GND3 w0.3: v7(66.45,23.95) v6(66.45,23.55)
  L8_IN2 w0.102: v1(66.8,48.85) 66.8,48.2 67.3,47.7 67.3,35.95 68.3,34.95 68.3,25.8 v7(66.45,23.95)
DEBUG_TCLK_SWCLK: length 139
  TOP w0.102: J3.13 87.9,68.7 v1(87.5,68.3)
  L3_IN1 w0.102: v5(79.3,13.6) 78.8,13.6 78.05,12.85 72.55,12.85 69.8,15.6 69.3,15.6 67.1,17.8 67.1,20.65 67.65,21.2 67.65,22.6 66.65,23.6 62.1,23.6 61.7,24 60.3,24 59.9,24.4 55.75,24.4 55.3,24.85 53.1,24.85 51.15,26.8 51.15,30.2 51.75,30.8 51.75,35.25 45.6,41.4 45.6,44.79 v4(45.22,45.16)
  L4_GND2 w0.3: v5(79.3,13.6) v6(79.7,13.6)
  L7_GND3 w0.3: v7(80.1,13.6) v6(79.7,13.6)
  L8_IN2 w0.102: v7(80.1,13.6) 80.4,13.6 81.28,14.48 88.57,14.48 91.1,17.01 92.5,17.01 93.07,16.44 J7.4
  BOTTOM w0.102: J7.4 93.83,16.38 95.75,18.3 95.75,40.65 94.63,41.77 94.63,55.83 96.57,57.76 96.57,66.23 94.9,67.9 87.9,67.9 v1(87.5,68.3)
DEBUG_TDI: length 141.6
  TOP w0.102: v1(86.9,69.2) 86.7,69.4 J3.19 ; U12.AK24 46.27,32.23 47.25,31.25 47.25,29.15 47.9,28.5 47.9,25.03 50.05,22.88 50.05,20.33 50.48,19.9 56.63,19.9 62.53,14 v4(66.05,14)
  L3_IN1 w0.102: v5(80,12.5) 78.8,12.5 78.15,11.85 71.75,11.85 71.15,12.45 69.85,12.45 68.3,14 v4(66.05,14)
  L4_GND2 w0.3: v6(79.9,12.1) v5(80,12.5)
  L7_GND3 w0.3: v6(79.9,12.1) v7(80.3,12.25)
  L8_IN2 w0.102: J7.8 93.06,13.84 92.43,14.47 90.43,14.47 89.66,13.7 82.9,13.7 82.3,13.1 81.15,13.1 v7(80.3,12.25)
  BOTTOM w0.102: J7.8 94.18,13.84 96.55,16.21 96.55,41.06 95.45,42.16 95.45,55.55 97.35,57.45 97.35,66.65 95.25,68.75 87.35,68.75 v1(86.9,69.2)
DEBUG_TDO_TRACESWO: length 143
  TOP w0.102: v1(92.25,68.35) 92.25,69.9 91.2,70.95 87.45,70.95 87.1,70.6 J3.17 ; U12.AJ23 45.92,43.08 46,43 46,32.15 46.99,31.16 46.99,28.86 47.59,28.26 47.59,24.9 49.74,22.75 49.74,20.2 50.35,19.59 56.5,19.59 62.49,13.6 v4(66.6,13.6)
  L3_IN1 w0.102: v5(80.8,12.75) 79.85,11.8 78.55,11.8 78.25,11.5 69.85,11.5 67.75,13.6 v4(66.6,13.6)
  L4_GND2 w0.3: v5(80.8,12.75) v6(80.95,13.15)
  L7_GND3 w0.3: v7(80.55,13.05) v6(80.95,13.15)
  L8_IN2 w0.102: J7.6 93.07,15.12 92.45,15.74 90.95,15.74 89.26,14.05 81.55,14.05 v7(80.55,13.05)
  BOTTOM w0.102: J7.6 93.76,15.11 96.2,17.55 96.2,40.85 95.06,41.99 95.06,55.65 97,57.58 97,66.45 95.1,68.35 v1(92.25,68.35)
DEBUG_TMS_SWDIO: length 141.3
  TOP w0.102: J3.15 87.5,70.4 87.7,70.6 91.05,70.6 91.75,69.9 v1(91.75,67.4) ; v4(66.05,13.2) 62.48,13.2 56.38,19.3 50.23,19.3 49.45,20.08 49.45,22.63 47.3,24.78 47.3,27.9 46.75,28.45 46.75,30.95 45.75,31.95 45.75,42.8 45.57,42.98 U12.AH22
  L3_IN1 w0.102: v4(66.05,13.2) 67.65,13.2 69.7,11.15 78.7,11.15 v5(79,11.45)
  L4_GND2 w0.3: v5(79,11.45) v6(78.7,11.75)
  L7_GND3 w0.3: v6(78.7,11.75) v7(79,12.05)
  L8_IN2 w0.102: v7(79,12.05) 79.65,12.7 79.65,13.65 80.91,14.91 88.06,14.91 91.45,18.3 92.42,18.3 J7.2
  BOTTOM w0.102: J7.2 93.85,17.65 95.3,19.1 95.3,40.4 94.2,41.5 94.2,56.01 96.14,57.94 96.14,66.01 94.75,67.4 v1(91.75,67.4)
DEMB: length 2.8
  TOP w0.2: U13.33 9.75,54.74 R126.1 v1(10.35,55.3)
  BOTTOM w0.2: R279.2 v1(10.35,55.3)
DITH: length 2.6
  TOP w0.102: C63.1 R124.1
  TOP w0.2: U13.38 7.25,54.04 C63.1
DRAM_CA0_A: length 12.1
  TOP w0.102: 29.92,47.56 29.6,47.56 29.41,47.37 29.41,47.05 29.22,46.86 28,46.86 27.65,47.21 U14.G4
  TOP w0.119: 29.92,47.56 30.57,47.56 31.05,48.04 36.17,48.04 36.36,48.23 38.54,48.23 U12.AB2
